# Altium PCB UZ_D_Encoder.PcbDoc (part 3 of 5) (continued)
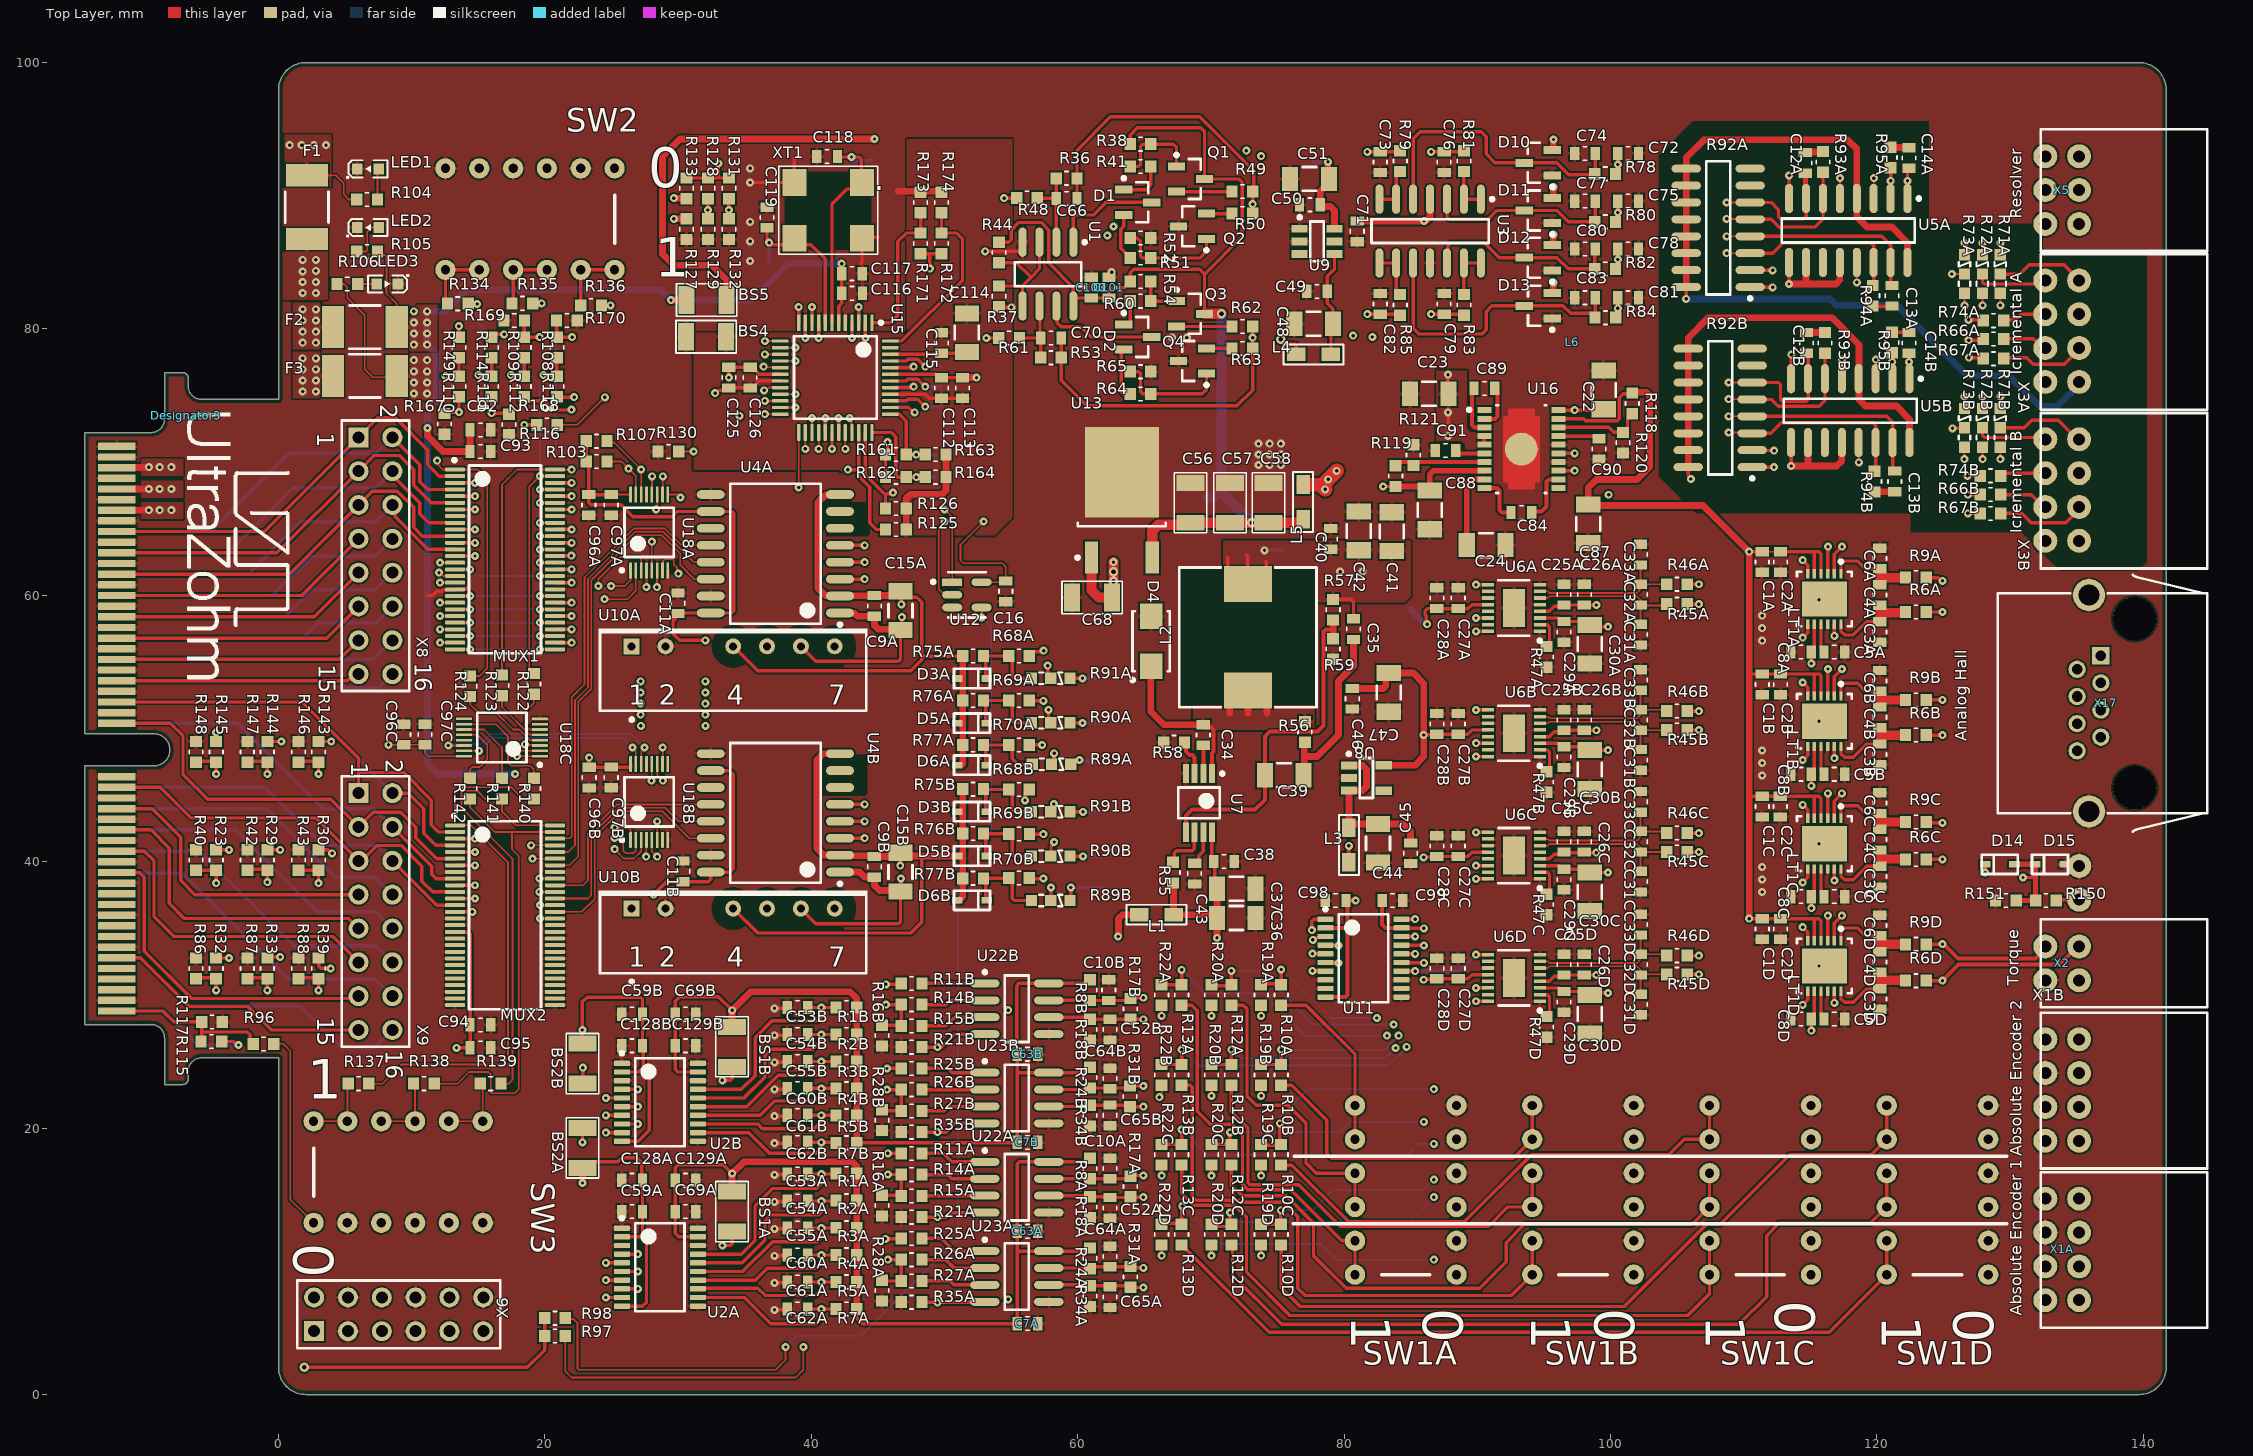
[diagram p0: Top Layer view]
## Nets (pads, with @x,y where several pads share a name; then routed paths per layer and width w, separated by ;. In a path a pad name is that pad's centre, name@x,y a point inside that pad or via, vN(x,y) a via of type N, cw(c..) or ccw(c..) an arc to the next point about the centre after c; other vN are vias at no path point) (continued)
  Bottom Layer w0.25: v1(48.55,77.17) TP7.1@49.774,77.17
COS_C: C80.1 D12.3 R82.2 U3.12 | length 14.8
  Top Layer w0.25: U3.12@87.72,84.951 87.787,85.018 87.787,86.256 87.981,86.451 90.559,86.451 91.659,85.351 D12.3@93.52,85.351 95.976,85.351 96.816,84.511 R82.2@98.828,84.511 98.828,85.976 C80.1@98.862,86.011
COS_FB: R83.1 U3.13 U3.14 | length 3.6
  Top Layer w0.25: R83.1@88.99,82.585 U3.13@88.99,84.951 U3.14@90.26,84.951
COS_LO: C82.1 R85.2 TP8.1 U15.44 | length 46.7
  Top Layer w0.25: U15.44@45.925,77.1 47.511,77.1 47.58,77.169 v1(47.675,77.169) ; v1(81.74,81.11) C82.1@82.709,81.11 84.135,81.11 R85.2@84.21,81.035
  GND w0.25: v1(47.675,77.169) 48.376,77.87 83.095,77.87 83.925,78.7 83.925,80.369 83.184,81.11 v1(81.74,81.11)
  Bottom Layer w0.25: TP8.1@46.273,77.169 v1(47.675,77.169)
COS_LO_C: C83.1 D13.3 R84.2 U3.10 | length 22.3
  Top Layer w0.25: U3.10@85.18,84.951 85.18,80.062 85.612,79.63 90.364,79.63 90.659,79.925 90.659,81.308 91.1,81.75 92.464,81.75 92.474,81.74 D13.3@93.527,81.74 96.431,81.74 96.996,81.175 98.535,81.175 98.835,80.875 R84.2@98.835,80.85 98.862,80.877 C83.1@98.862,82.35
COS_LO_FB: R85.1 U3.8 U3.9 | length 3.8
  Top Layer w0.25: U3.8@82.64,84.951 U3.9@83.91,84.951 83.91,82.81 84.06,82.66 84.135,82.66 R85.1@84.21,82.585
COS_LO_ST: C81.1 R84.1 X5.4 | length 61.4
  Top Layer w0.25: R84.1@100.385,80.85 100.552,81.017 v1(100.552,81.55) C81.1@100.552,82.35
  GND w0.254: v1(100.552,81.55) 101.106,82.104 101.106,85.482 99.827,86.761 99.827,93.869 102.484,96.525 136.218,96.525 136.602,96.141 136.602,92.383 136.033,91.814 133.932,91.814 X5.4@132.511,90.393
COS_ST: C78.1 R82.1 X5.3 | length 56.5
  Top Layer w0.25: R82.1@100.378,84.511 100.552,84.685 v1(100.552,85.211) C78.1@100.552,86.011
  GND w0.254: v1(100.552,85.211) 100.459,85.211 99.446,86.223 99.446,94.026 102.326,96.906 136.375,96.906 136.997,96.284 136.997,92.239 X5.3@135.186,90.428
DB0: MUX1.54 U15.28 | length 22.9
  Top Layer w0.127: v1(40.55,71) U15.28@40.55,72.225
  Top Layer w0.254: MUX1.54@20.75,68.45 v1(22,68.45)
  GND w0.127: v1(22,68.45) 24.384,68.45 24.874,68.94 27.35,68.94 27.839,68.45 36.05,68.45 39.1,71.5 40.05,71.5 v1(40.55,71)
DB1: MUX1.52 U15.27 | length 24.4
  Top Layer w0.127: U15.27@40.05,72.225 v1(40.05,73.3)
  Top Layer w0.254: MUX1.52@20.75,67.45 v1(22,67.45)
  GND w0.127: v1(22,67.45) 21.375,68.075 21.375,68.687 21.63,68.942 24.517,68.942 25.7,70.125 36.789,70.125 39.964,73.3 v1(40.05,73.3)
DB2: MUX1.50 U15.26 | length 21.9
  Top Layer w0.127: v1(39.55,71) U15.26@39.55,72.225
  Top Layer w0.254: MUX1.50@20.75,66.45 v1(22,66.45)
  GND w0.127: v1(22,66.45) 23.509,67.959 36.509,67.959 v1(39.55,71)
DB3: MUX1.47 U15.25 | length 29
  Top Layer w0.127: v1(39.05,68.102) U15.25@39.05,72.225
  Top Layer w0.254: MUX1.47@20.75,64.95 v1(22,64.95)
  GND w0.127: v1(22,64.95) 22.062,64.888 22.062,64.573 22.195,64.44 22.203,64.44 22.49,64.153 22.49,64.144 23.411,63.224 38.801,63.224 40.209,64.632 40.209,66.943 v1(39.05,68.102)
DB4: MUX1.45 U15.24 | length 39.6
  Top Layer w0.127: v1(36.5,73.6) U15.24@37.675,73.6
  Top Layer w0.254: MUX1.45@20.75,63.95 v1(22,63.95)
  GND w0.127: v1(22,63.95) 22.746,63.204 22.98,62.97 38.906,62.97 40.697,64.761 40.697,65.52 43.372,68.195 43.372,73.565 42.741,74.196 39.682,74.196 39.087,73.6 v1(36.5,73.6)
DB5: MUX1.43 U15.23 | length 37.7
  Top Layer w0.127: U15.23@37.675,74.1 v1(38.8,74.1)
  Top Layer w0.254: MUX1.43@20.75,62.95 20.763,62.963 21.96,62.963 v1(21.974,62.976)
  GND w0.127: v1(21.974,62.976) 22,62.95 22.026,62.976 22.614,62.976 22.875,62.716 39.011,62.716 41.113,64.817 41.113,65.576 43.626,68.09 43.626,73.67 42.846,74.45 39.15,74.45 v1(38.8,74.1)
DB6: U15.22 X9.8 X16.62 | length 85.7
  Top Layer w0.127: v1(36.5,74.6) U15.22@37.675,74.6
  GND w0.127: X9.8@8.54,37.53 10.126,39.115 10.126,51.169 7.599,53.695 7.599,59.599 8.274,60.274 8.96,60.274 9.556,60.87 9.556,61.621 13.545,65.609 13.545,68.657 17.063,72.175 23.45,72.175 23.831,72.556 30.281,72.556 32.325,74.6 v1(36.5,74.6)
  Bottom Layer w0.254: X16.62@-12.153,43.991 -0.894,43.991 4.247,38.85 7.22,38.85 X9.8@8.54,37.53
DB7: MUX1.41 U15.21 | length 38.6
  Top Layer w0.127: U15.21@37.675,75.1 v1(38.8,75.1)
  Top Layer w0.254: MUX1.41@20.75,61.95 v1(22,61.95)
  GND w0.127: v1(22,61.95) 22.512,62.462 39.117,62.462 41.367,64.712 41.367,65.471 43.88,67.985 43.88,73.775 42.555,75.1 v1(38.8,75.1)
DB8: MUX1.39 U15.20 | length 42.5
  Top Layer w0.127: v1(36.45,75.397) 36.578,75.397 36.781,75.6 U15.20@37.675,75.6
  Top Layer w0.254: MUX1.39@20.75,60.95 v1(22,60.95)
  GND w0.127: v1(22,60.95) 23.258,62.208 39.222,62.208 41.621,64.607 41.621,65.366 44.134,67.879 44.134,73.88 42.414,75.6 38.606,75.6 38.404,75.397 v1(36.45,75.397)
DB9: MUX1.36 U15.17 | length 47.6
  Top Layer w0.127: v1(36.415,77.17) 36.45,77.135 37.64,77.135 U15.17@37.675,77.1
  Top Layer w0.254: MUX1.36@20.75,59.45 v1(22,59.45)
  GND w0.127: v1(22,59.45) 22.547,58.902 41.016,58.902 41.875,59.761 41.875,65.261 44.388,67.774 44.388,73.985 41.254,77.119 36.466,77.119 v1(36.415,77.17)
DB10: MUX1.34 U15.16 | length 46
  Top Layer w0.127: U15.16@37.675,77.6 37.68,77.605 38.795,77.605 v1(38.8,77.61)
  Top Layer w0.254: MUX1.34@20.75,58.45 v1(22,58.45)
  GND w0.127: v1(22,58.45) 22.309,58.14 22.972,58.14 23.48,58.648 41.121,58.648 42.129,59.656 42.129,65.156 44.642,67.669 44.642,74.091 41.133,77.6 38.81,77.6 v1(38.8,77.61)
DB11: MUX1.32 U15.15 | length 49.4
  Top Layer w0.127: v1(36.5,78.1) U15.15@37.675,78.1
  Top Layer w0.254: MUX1.32@20.75,57.45 v1(22,57.45)
  GND w0.127: v1(22,57.45) 22.309,57.759 22.436,57.886 23.077,57.886 23.585,58.394 41.226,58.394 42.383,59.551 42.383,65.05 44.896,67.564 44.896,74.196 40.992,78.1 v1(36.5,78.1)
DB12: MUX1.30 U15.14 | length 48.3
  Top Layer w0.127: U15.14@37.675,78.6 37.677,78.602 38.798,78.602 v1(38.8,78.604)
  Top Layer w0.254: MUX1.30@20.75,56.45 v1(22,56.45)
  GND w0.127: v1(22,56.45) 23.69,58.14 41.331,58.14 42.637,59.446 42.637,64.945 45.15,67.459 45.15,74.301 40.847,78.604 v1(38.8,78.604)
DIG_IO_0: MUX1.2 X8.1 X16.17 | length 31.4
  Top Layer w0.254: X16.17@-12.153,64.791 -1.074,64.791 X8.1@6,71.865 7.459,73.324 8.775,73.324 11.192,70.907 11.192,69.809 12.052,68.95 MUX1.2@13.25,68.95
DIG_IO_1: MUX1.4 X8.2 X16.18 | length 30.7
  Top Layer w0.254: X8.2@8.54,71.865 10.6,69.805 10.6,68.528 11.178,67.95 MUX1.4@13.25,67.95
  Bottom Layer w0.254: X16.18@-12.153,64.791 -5.08,64.791 0.797,70.668 7.343,70.668 X8.2@8.54,71.865
DIG_IO_2: MUX1.6 X8.3 X16.21 | length 30.6
  Top Layer w0.254: X16.21@-12.153,63.191 -0.134,63.191 X8.3@6,69.325 7.179,70.504 9.066,70.504 10.137,69.433 10.137,68.267 11.454,66.95 MUX1.6@13.25,66.95
DIG_IO_3: MUX1.9 X8.4 X16.22 | length 30.2
  Top Layer w0.254: X8.4@8.54,69.325 8.54,69.014 10.6,66.954 10.6,66.115 11.265,65.45 MUX1.9@13.25,65.45
  Bottom Layer w0.254: X16.22@-12.153,63.191 -3.79,63.191 1.098,68.078 7.293,68.078 X8.4@8.54,69.325
DIG_IO_4: MUX1.11 X8.5 X16.25 | length 30.3
  Top Layer w0.254: X16.25@-12.153,61.591 0.806,61.591 X8.5@6,66.785 7.04,67.825 8.92,67.825 10.137,66.608 10.137,65.111 10.798,64.45 MUX1.11@13.25,64.45
DIG_IO_5: MUX1.13 X8.6 X16.26 | length 29.3
  Top Layer w0.254: X8.6@8.54,66.785 8.744,66.581 8.744,65.898 11.192,63.45 MUX1.13@13.25,63.45
  Bottom Layer w0.254: X16.26@-12.153,61.591 -2.267,61.591 1.668,65.526 7.281,65.526 X8.6@8.54,66.785
DIG_IO_6: R110.1 R149.1 X8.7 X16.29 | length 39.6
  Top Layer w0.25: v1(12.525,76.477) 13.528,76.477 R110.1@13.545,76.461 R149.1@13.545,77.84
  Top Layer w0.254: X16.29@-12.153,59.991 1.746,59.991 X8.7@6,64.245
  VCC w0.127: X8.7@6,64.245 7.21,64.245 8.156,65.191 10.948,65.191 12.525,66.768 v1(12.525,76.477)
DIG_IO_7: R111.1 R114.1 X8.8 X16.30 | length 40.9
  Top Layer w0.25: v1(14.99,76.536) R111.1@15.994,76.536 ; R111.1@15.994,76.461 R111.1@15.994,76.536 ; R114.1@15.994,77.84 R111.1@15.994,76.536
  VCC w0.127: X8.8@8.54,64.245 10.362,64.245 12.779,66.662 12.779,72.129 14.75,74.1 14.75,76.295 v1(14.99,76.536)
  Bottom Layer w0.254: X16.30@-12.153,59.991 -0.484,59.991 2.475,62.95 7.245,62.95 X8.8@8.54,64.245
DIG_IO_8: R109.1 R112.1 X8.9 X16.33 | length 42.8
  Top Layer w0.25: v1(17.439,76.536) R112.1@18.443,76.536 ; R112.1@18.443,76.461 R112.1@18.443,76.536 ; R109.1@18.443,77.84 R112.1@18.443,76.536
  Top Layer w0.254: X16.33@-12.153,58.391 2.686,58.391 X8.9@6,61.705
  VCC w0.127: X8.9@6,61.705 7.245,62.95 9.426,62.95 13.033,66.557 13.033,72.024 17.439,76.43 v1(17.439,76.536)
DIG_IO_9: R108.1 R113.1 X8.10 X16.34 | length 45.1
  Top Layer w0.25: v1(19.888,76.536) R113.1@20.892,76.536 ; R113.1@20.892,76.461 R113.1@20.892,76.536 ; R108.1@20.892,77.84 R113.1@20.892,76.536
  VCC w0.127: X8.10@8.54,61.705 12.709,65.874 13.287,66.452 13.287,71.919 15.543,74.175 17.528,74.175 v1(19.888,76.536)
  Bottom Layer w0.254: X16.34@-12.153,58.391 0.494,58.391 2.511,60.409 7.244,60.409 X8.10@8.54,61.705
DIG_IO_10: R116.1 X8.11 X16.37 | length 41.4
  Top Layer w0.254: X16.37@-12.153,56.791 3.626,56.791 X8.11@6,59.165 ; v1(18.443,72.8) R116.1@19.37,72.8
  GND w0.127: X8.11@6,59.165 7.109,60.274 7.109,61.825 8.233,62.95 10.526,62.95 13.291,65.714 13.291,69.341 16.75,72.8 v1(18.443,72.8)
  GND w0.254: X8.11@6,59.165 X8.11@6.21,59.165
DIG_IO_11: U15.4 X8.12 X16.38 | length 69.6
  Top Layer w0.25: v1(43.05,79.324) U15.4@43.05,80.475
  GND w0.127: X8.12@8.54,59.165 9.81,60.435 9.81,61.515 13.9,65.605 13.9,68.653 16.847,71.6 32.725,71.6 v1(34.6,73.475)
  VCC w0.127: v1(34.6,73.475) 35.533,73.475 35.898,73.11 38.815,73.11 43.05,77.345 v1(43.05,79.324)
  Bottom Layer w0.254: X16.38@-12.153,56.791 1.817,56.791 2.976,57.95 7.325,57.95 X8.12@8.54,59.165
DIG_IO_12: R133.1 U15.10 X8.13 X16.41 | length 81.6
  Top Layer w0.25: U15.10@40.05,80.475 v1(40.05,81.654)
  Top Layer w0.254: X16.41@-12.153,55.191 4.566,55.191 X8.13@6,56.625
  Top Layer w0.508: v1(29.675,89.828) 29.693,89.81 30.601,89.81 R133.1@30.621,89.79
  GND w0.127: X8.13@6,56.625 6,57.835 5.059,58.775 5.059,62.844 5.419,63.204 10.421,63.204 13.037,65.82 13.037,69.487 17.05,73.5 19.555,73.5 20.892,74.836 20.892,76.706 28.128,83.942 28.842,83.942 ; v1(29.675,89.828) 28.842,88.995 28.842,83.942 ; v1(40.05,81.654) 38.679,83.025 29.759,83.025 28.842,83.942
DIG_IO_13: R130.1 U15.33 X8.14 X16.42 | length 69.1
  Top Layer w0.127: R130.1@30.04,70.799 v1(31.157,70.8) ; v1(42.882,73.3) 42.882,73.172 43.013,73.041 43.013,72.262 U15.33@43.05,72.225
  GND w0.127: X8.14@8.54,56.625 10.15,58.235 10.15,61.35 14.154,65.354 14.154,68.548 16.606,71 23.718,71 23.918,70.8 v1(31.157,70.8) 36.785,70.8 39.866,73.88 42.301,73.88 v1(42.882,73.3)
  Bottom Layer w0.254: X16.42@-12.153,55.191 7.106,55.191 X8.14@8.54,56.625
DIG_IO_14: R162.1 R164.2 TP22.1 U15.36 X8.15 X16.45 | length 86.2
  Top Layer w0.25: X16.45@-12.153,53.591 5.168,53.591 5.662,54.085 X8.15@6,54.085 ; U15.36@44.55,72.225 46.023,72.225 46.343,71.905 46.343,69.298 46.343,69.021 46.489,68.875 R162.1@47.118,68.875 v1(47.885,68.875) R164.2@48.56,68.875
  VCC w0.127: X8.15@6,54.085 6.011,54.074 6.011,53.219 6.146,53.083 16.842,53.083 17.354,53.595 17.354,68.974 18.436,70.056 46.704,70.056 v1(47.885,68.875)
  Bottom Layer w0.25: v1(47.885,68.875) TP22.1@49.335,68.875
DIG_IO_15: R161.1 R163.2 TP21.1 U15.37 X8.16 X16.46 | length 83.9
  Top Layer w0.25: U15.37@45.925,73.6 46.604,73.6 47.118,73.087 R161.1@47.118,70.567 v1(47.867,70.567) R163.2@48.56,70.567
  VCC w0.127: X8.16@8.54,54.085 9.288,53.337 16.737,53.337 17.1,53.7 17.1,69.079 18.331,70.31 47.556,70.31 47.814,70.567 v1(47.867,70.567)
  Bottom Layer w0.25: X16.46@-12.153,53.591 4.574,53.591 5.082,53.083 7.538,53.083 X8.16@8.54,54.085 ; v1(47.867,70.567) TP21.1@49.335,70.567
DIG_IO_16: MUX2.2 X9.1 X16.49 | length 32.7
  Top Layer w0.25: 6,46.703 9.387,46.703 11.462,44.628 11.462,42.761 11.988,42.235 MUX2.2@13.25,42.235
  Top Layer w0.254: X16.49@-12.153,51.991 1.769,51.991 6,47.76 6,46.703 X9.1@6,45.15
DIG_IO_17: MUX2.4 X9.2 X16.50 | length 31.8
  Top Layer w0.25: X9.2@8.54,45.15 9.745,45.15 10.905,43.99 10.905,42.142 11.812,41.235 MUX2.4@13.25,41.235 13.225,41.26 12.43,41.26
  Bottom Layer w0.25: X16.50@-12.153,51.991 1.766,51.991 6.156,47.601 6.156,47.534 X9.2@8.54,45.15
DIG_IO_18: MUX2.6 X9.3 X16.53 | length 32.7
  Top Layer w0.25: X16.53@-12.153,50.391 -8.123,50.391 -7.173,49.442 -7.173,46.537 -5.329,44.693 3.917,44.693 X9.3@6,42.61 7.118,43.728 9.161,43.728 10.305,42.584 10.305,41.795 11.865,40.235 MUX2.6@13.25,40.235
DIG_IO_19: MUX2.9 X9.4 X16.54 | length 30.6
  Top Layer w0.25: X9.4@8.54,42.61 11.487,39.663 11.487,39.073 11.825,38.735 MUX2.9@13.25,38.735
  Bottom Layer w0.25: X16.54@-12.153,50.391 -3.057,50.391 3.343,43.99 7.16,43.99 X9.4@8.54,42.61
DIG_IO_20: MUX2.11 X9.5 X16.57 | length 30.3
  Top Layer w0.25: X16.57@-12.153,45.591 -8.889,45.591 -6.583,43.285 2.785,43.285 X9.5@6,40.07 6.236,40.07 7.388,41.222 9.202,41.222 10.755,39.669 10.755,38.535 11.555,37.735 MUX2.11@13.25,37.735
DIG_IO_21: MUX2.13 X9.6 X16.58 | length 29.1
  Top Layer w0.25: X9.6@8.54,40.07 11.875,36.735 MUX2.13@13.25,36.735
  Bottom Layer w0.25: X16.58@-12.153,45.591 -1.031,45.591 3.338,41.222 7.388,41.222 X9.6@8.54,40.07
DIG_IO_22: R97.2 R98.1 X9.7 X16.61 | length 83
  Top Layer w0.25: X16.61@-12.153,43.991 -9.504,43.991 -7.354,41.842 -7.354,38.606 -6.278,37.53 X9.7@6,37.53 ; v2(1.914,2.036) 18.67,2.036 19.975,3.341 R97.2@19.975,4.401 R98.1@19.975,5.728
  GND w0.25: v2(1.914,2.036) 0.875,3.075 0.875,34.56 3.756,37.441 5.911,37.441 X9.7@6,37.53
DIG_IO_24: MUX1.15 X9.9 X16.65 | length 56.3
  Top Layer w0.127: v1(12.116,62.45) MUX1.15@13.25,62.45
  Top Layer w0.254: X16.65@-12.153,42.391 -9.577,42.391 -8.199,41.013 -8.199,36.867 -7.067,35.735 5.255,35.735 X9.9@6,34.99
  GND w0.127: X9.9@6,34.99 7.245,36.235 9.46,36.235 10.512,37.287 10.512,61.152 11.744,62.383 12.05,62.383 v1(12.116,62.45)
DIG_IO_25: MUX1.18 X9.10 X16.66 | length 52.4
  Top Layer w0.127: v1(12.116,60.95) MUX1.18@13.25,60.95
  GND w0.127: X9.10@8.566,34.947 10.864,37.245 10.864,59.697 v1(12.116,60.95)
  Bottom Layer w0.254: X16.66@-12.153,42.391 -3.254,42.391 2.902,36.235 7.295,36.235 X9.10@8.54,34.99
DIG_IO_26: MUX1.21 X9.11 X16.69 | length 55.9
  Top Layer w0.127: v1(12.116,59.45) MUX1.21@13.25,59.45
  Top Layer w0.254: X16.69@-12.153,40.791 -10.074,40.791 -9.353,40.07 -9.353,35.859 -7.885,34.391 4.059,34.391 X9.11@6,32.45
  GND w0.127: X9.11@6,32.45 7.3,33.75 9.2,33.75 11.118,35.668 11.118,58.451 v1(12.116,59.45)
DIG_IO_27: MUX1.23 X9.12 X16.70 | length 52.8
  Top Layer w0.127: v1(12.116,58.45) MUX1.23@13.25,58.45
  GND w0.127: X9.12@8.54,32.45 11.372,35.282 11.372,57.705 v1(12.116,58.45)
  Bottom Layer w0.254: X16.70@-12.153,40.791 -5.956,40.791 1.135,33.7 7.29,33.7 X9.12@8.54,32.45
DIG_IO_28: MUX1.25 X9.13 X16.73 | length 57.7
  Top Layer w0.127: v1(12.116,57.45) MUX1.25@13.25,57.45
  Top Layer w0.254: X16.73@-12.153,39.191 -10.415,39.191 -10.074,38.85 -10.074,33.27 -6.539,29.735 5.825,29.735 X9.13@6,29.91
  GND w0.127: X9.13@6,29.91 7.265,31.175 9.175,31.175 11.626,33.626 11.626,56.959 v1(12.116,57.45)
DIG_IO_29: MUX1.27 X9.14 X16.74 | length 54.4
  Top Layer w0.127: v1(12.116,56.45) MUX1.27@13.25,56.45
  GND w0.127: X9.14@8.54,29.91 12.116,33.486 v1(12.116,56.45)
  Bottom Layer w0.254: X16.74@-12.858,39.15 -7.215,39.15 0.744,31.191 7.259,31.191 X9.14@8.54,29.91
DIR: R108.2 R170.2 U15.32 | length 27.6
  Top Layer w0.127: v1(42.55,71) U15.32@42.55,72.225
  Top Layer w0.25: R170.2@20.867,80.638 20.892,80.613 R108.2@20.892,79.39 v1(22.043,79.39)
  VCC w0.127: v1(22.043,79.39) 29.333,72.1 41.45,72.1 v1(42.55,71)
DOS: R126.2 U12.2 U15.35 U18A.7 | length 46.1
  Top Layer w0.127: U18A.7@28.825,61.875 28.861,61.911 28.861,62.592 28.986,62.716 29.601,62.716 29.675,62.642 29.675,62.308 29.917,62.066 29.917,61.723 v1(30.008,61.632) v1@29.923,61.632 ; R126.2@45.568,66.527 45.568,66.502 R126.2@45.929,66.14 ; v1(49.999,65.527) 49.572,65.1 49.572,60.467 49.998,60.041 U12.2@50.574,60.041
  Top Layer w0.25: U15.35@44.05,72.225 44.05,69.043 45.568,67.525 ; R126.2@45.568,66.527 45.568,67.525 ; v1(46.132,67.707) 46.065,67.64 45.682,67.64 45.568,67.525
  VCC w0.127: v1(30.008,61.632) 30.661,62.286 30.661,69.336 30.812,69.487 41.991,69.487 42.965,68.513 45.325,68.513 v1(46.132,67.707) 48.311,65.527 v1(49.999,65.527) v1@50.297,65.527
DOS_LOT: R98.2 U12.4 | length 86.6
  Top Layer w0.127: R98.2@21.525,5.728 21.578,5.675 22.133,5.675 22.447,5.361 22.447,1.936 22.521,1.862 37.324,1.862 38.124,2.662 38.064,2.723 v1(38.064,3.565) ; U12.4@52.775,59.091 52.79,59.077 v1(52.79,58.341) ; U12.4@53.075,59.091 U12.4@53.178,59.195
  Bottom Layer w0.127: v1(38.064,3.565) 38.91,4.411 43.711,4.411 51.025,11.725 51.025,39.6 53.5,42.075 53.5,57.631 v1(52.79,58.341)
ENC_IN_SEL_1A: R91A.2 U4A.5 | length 25.5
  Top Layer w0.25: U4A.5@42.147,63.76 v1(44,63.76)
  Top Layer w0.254: v1(57.746,54.725) 57.746,54.074 57.988,53.832 R91A.2@57.994,53.832
  GND w0.25: v1(44,63.76) 49.894,63.76 50.222,64.087 56.43,64.087 57.994,62.523 57.994,55.068 57.746,54.82 v1(57.746,54.725)
ENC_IN_SEL_1B: R91B.2 U4B.5 | length 16.9
  Top Layer w0.25: U4B.5@42.147,44.305 v1(44,44.305)
  Top Layer w0.254: R91B.2@58.02,43.821 58.203,44.003 v1(58.203,44.336)
  GND w0.25: v1(44,44.305) 50.062,44.305 50.305,44.061 57.727,44.061 57.935,44.269 58.136,44.269 v1(58.203,44.336)
ENC_IN_SEL_2A: R90A.2 U4A.4 | length 27.1
  Top Layer w0.25: U4A.4@42.147,62.49 v1(44,62.49)
  Top Layer w0.254: v1(57.806,51.411) 57.806,50.737 58.048,50.495 R90A.2@58.069,50.495
  GND w0.25: v1(44,62.49) 53.487,62.402 56.072,62.402 56.844,61.63 56.844,51.608 57.048,51.404 57.799,51.404 v1(57.806,51.411)
ENC_IN_SEL_2B: R90B.2 U4B.4 | length 17.8
  Top Layer w0.25: U4B.4@42.147,43.035 v1(44,43.035)
  Top Layer w0.254: R90B.2@57.994,40.484 57.994,41.176 58.232,41.415 v1(58.232,41.485)
  GND w0.25: v1(44,43.035) 55.594,43.035 57.144,41.485 v1(58.232,41.485)
ENC_IN_SEL_3A: R89A.2 U4A.3 | length 28.5
  Top Layer w0.25: U4A.3@42.147,61.22 v1(44,61.22)
  Top Layer w0.254: R89A.2@57.91,47.311 58.144,47.311 58.232,47.4 v1(58.232,48.143)
  GND w0.254: v1(44,61.22) 55.158,61.22 55.968,60.41 55.968,51.371 57.91,49.429 57.91,49.427 58.232,49.105 v1(58.232,48.143)
ENC_IN_SEL_3B: R89B.2 U4B.3 | length 19.1
  Top Layer w0.25: U4B.3@42.147,41.765 v1(44,41.765)
  Top Layer w0.254: R89B.2@57.994,37.147 v1(57.994,38.063)
  GND w0.254: v1(44,41.765) 55.678,41.765 57.994,39.449 v1(57.994,38.063)
EXC: R61.2 TP11.1 U15.38 | length 30.7
  Top Layer w0.25: U15.38@45.925,74.1 47.307,74.1 47.665,73.742 v1(47.76,73.742) ; v1(53.137,79.324) R61.2@54.077,79.324
  GND w0.25: v1(47.76,73.742) 46.273,75.229 46.273,77.747 47.702,79.176 47.827,79.301 ccw(c47.644,79.484) 47.903,79.484 47.903,81.712 cw(c48.054,81.712) 48.054,81.864 48.509,81.864 cw(c48.509,81.712) 48.661,81.712 48.661,79.152 ccw(c48.812,79.152) 48.812,79.001 49.267,79.001 ccw(c49.267,79.152) 49.419,79.152 49.419,81.712 cw(c49.57,81.712) 49.57,81.864 50.025,81.864 cw(c50.025,81.712) 50.177,81.712 50.177,79.152 ccw(c50.328,79.152) 50.328,79.001 50.783,79.001 ccw(c50.783,79.152) 50.935,79.152 50.935,80.837 cw(c51.086,80.837) 51.086,80.989 51.541,80.989 cw(c51.541,80.837) 51.693,80.837 51.693,79.574 ccw(c51.943,79.574) 51.943,79.324 52.835,79.324 v1(53.137,79.324)
  Bottom Layer w0.25: TP11.1@46.273,74.169 47.238,74.169 47.665,73.742 v1(47.76,73.742)
EXC_AMP_O: D2.3 U1.7 | length 8.8
  Top Layer w0.254: U1.7@58.395,81.72 58.461,81.654 58.461,80.444 58.744,80.16 60.237,80.16 60.997,79.4 D2.3@65.561,79.4
EXC_DRV_IN_H: Q3.1 R54.1 R60.2 | length 3.4
  Top Layer w0.254: R54.1@65.488,83.563 R60.2@65.488,82.09 Q3.1@67.418,82.09
EXC_DRV_IN_L: Q4.1 R64.2 R65.1 | length 8.6
  Top Layer w0.254: R65.1@63.938,76.793 64.564,76.793 64.713,76.644 64.713,75.277 64.862,75.128 R64.2@65.488,75.128 69.363,75.128 69.663,75.428 Q4.1@69.663,76.643
EXC_F: C70.1 R53.1 R61.1 U1.6 | length 5.5
  Top Layer w0.254: R61.1@55.627,79.324 C70.1@57.21,79.324 ; U1.6@57.125,81.72 57.167,81.677 57.167,79.366 C70.1@57.21,79.324 ; R53.1@57.21,77.843 C70.1@57.21,79.324
EXC_FB_LINE_H: D2.1 R60.1 | length 2.1
  Top Layer w0.254: D2.1@63.461,80.35 63.765,80.35 63.938,80.523 R60.1@63.938,82.09
EXC_FB_LINE_L: D2.2 R64.1 | length 4
  Top Layer w0.25: D2.2@63.461,78.45 63.436,78.45 63.261,78.275 63.261,75.276 63.41,75.128 R64.1@63.938,75.128
GND: BS4.2 C1A.2 C1B.2 C1C.2 C1D.2 C2A.2 C2B.2 C2C.2 C2D.2 C3A.1 C3B.1 C3C.1 C3D.1 C5A.2 C5B.2 C5C.2 C5D.2 C6A.2 C6B.2 C6C.2 C6D.2 C7A.2 C7B.2 C8A.2 C8B.2 C8C.2 C8D.2 C10A.2 C10B.2 C11A.1 C11B.1 C16.1 C22.1 C23.1 C24.1 C25A.2 C25B.2 C25C.2 C25D.2 C26A.1 C26B.1 C26C.1 C26D.1 C27A.2 C27B.2 C27C.2 C27D.2 C28A.1 C28B.1 C28C.1 C28D.1 C29A.2 C29B.2 C29C.2 C29D.2 C30A.1 C30B.1 C30C.1 C30D.1 C31A.1 C31B.1 C31C.1 C31D.1 C33A.2 C33B.2 C33C.2 C33D.2 C36.1 C37.1 C38.2 C40.1 C41.1 C42.1 C43.1 C44.1 C45.2 C46.2 C47.1 C48.1 C49.2 C50.2 C51.1 C52A.2 C52B.2 C53A.2 C53B.2 C54A.2 C54B.2 C55A.2 C55B.2 C56.2 C57.2 C58.2 C59A.2 C59B.2 C60A.2 C60B.2 C61A.2 C61B.2 C62A.2 C62B.2 C63A.2 C63B.2 C64A.2 C64B.2 C65A.2 C65B.2 C68.2 C69A.2 C69B.2 C71.2 C72.2 C73.2 C74.2 C75.2 C76.2 C77.2 C78.2 C79.2 C80.2 C81.2 C82.2 C83.2 C87.1 C88.1 C90.2 C91.2 C92.2 C93.2 C94.2 C95.2 C96A.2 C96B.2 C96C.2 C97A.2 C97B.2 C97C.2 C98.2 C99.2 C100.2 C101.2 C116.1 C117.1 C118.2 C119.2 C125.1 C126.1 C128A.2 C128B.2 C129A.2 C129B.2 D4.2 D10.1 D11.1 D12.1 D13.1 D15.2 LED1.1 LED2.1 LED3.1 LT1A.10 LT1B.10 LT1C.10 LT1D.10 MUX1.8 MUX1.19 MUX1.38 MUX1.49 MUX2.8 MUX2.15 MUX2.16 MUX2.18 MUX2.19 MUX2.20 MUX2.21 MUX2.22 MUX2.23 MUX2.24 MUX2.25 MUX2.26 MUX2.27 MUX2.28 MUX2.29 MUX2.30 MUX2.31 MUX2.32 MUX2.33 MUX2.34 MUX2.35 MUX2.36 MUX2.37 MUX2.38 MUX2.39 MUX2.40 MUX2.41 MUX2.49 Q2.3 Q4.3 R16A.1 R16B.1 R18A.1 R18B.1 R21A.1 R21B.1 R28A.1 R28B.1 R34A.1 R34B.1 R35A.1 R35B.1 R40.1 R42.1 R43.1 R44.1 R47A.1 R47B.1 R47C.1 R47D.1 R52.2 R58.1 R59.1 R65.2 R86.2 R87.2 R88.2 R117.1 R120.1 R121.1 R125.1 R126.1 R127.2 R129.1 R130.2 R132.1 R146.2 R147.2 R148.2 R151.2 R163.1 R164.1 R167.1 R168.1 R169.1 R170.1 R173.1 R174.1 SW1A.8 SW1A.10 SW1A.12 SW1B.8 SW1B.10 SW1B.12 SW1C.8 SW1C.10 SW1C.12 SW1D.8 SW1D.10 SW1D.12 SW2.8 SW2.10 SW2.12 SW3.8 SW3.10 SW3.12 U1.4 U2A.1 U2A.3 U2A.11 U2A.18 U2A.20 U2B.1 U2B.3 U2B.11 U2B.18 U2B.20 U3.11 U4A.9 U4A.15 U4B.9 U4B.15 U6A.1 U6A.5 U6A.8 U6A.10 U6A.11 U6A.17 U6B.1 U6B.5 U6B.8 U6B.10 U6B.11 U6B.17 U6C.1 U6C.5 U6C.8 U6C.10 U6C.11 U6C.17 U6D.1 U6D.5 U6D.8 U6D.10 U6D.11 U6D.17 U7.4 U8.2 U9.1 U9.2 U10A.2 U10B.2 U11.8 U11.9 U11.11 U11.12 U11.13 U12.3 U13.4 U15.5 U15.19 U16.14 U16.16 U16.21 U18A.8 U18B.8 U18C.8 U22A.5 U22B.5 U23A.5 U23B.5 X1A.4 X1B.4 X2.4 X6.3 X6.4 X6.7 X6.8 X6.11 X6.12 X7.2 X16.1 X16.2 X16.3 X16.4 X16.7 X16.8 X16.11 X16.12 X16.15 X16.16 X16.19 X16.20 X16.23 X16.24 X16.27 X16.28 X16.31 X16.32 X16.35 X16.36 X16.39 X16.40 X16.43 X16.44 X16.47 X16.48 X16.51 X16.52 X16.55 X16.56 X16.59 X16.60 X16.63 X16.64 X16.67 X16.68 X16.71 X16.72 X16.75 X16.76 X16.81 X16.82 X16.87 X16.88 X16.97 X16.98 X17.S1 X17.S2 XT1.2 XT1.4 | length 44.8
  Top Layer w0.25: v1(37.234,6.362) 38.118,6.362 C62A.2@38.181,6.425 ; v1(37.234,8.387) 38.118,8.387 C61A.2@38.181,8.45 ; v1(37.234,10.412) 38.118,10.412 C60A.2@38.181,10.475 ; v1(37.234,12.438) 38.118,12.438 C55A.2@38.181,12.501 ; v1(37.234,14.463) 38.118,14.463 C54A.2@38.181,14.526 ; v1(37.234,16.489) 38.118,16.489 C53A.2@38.181,16.552 ; v1(37.234,18.867) 38.118,18.867 C62B.2@38.181,18.93 ; v1(37.234,20.892) 38.118,20.892 C61B.2@38.181,20.955 ; v1(37.234,22.918) 38.118,22.918 C60B.2@38.181,22.981 ; v1(37.234,24.943) 38.118,24.943 C55B.2@38.181,25.006 ; v1(37.234,26.968) 38.118,26.968 C54B.2@38.181,27.031 ; v1(37.234,28.994) 38.118,28.994 C53B.2@38.181,29.057
  Top Layer w0.254: 11.178,60.011 11.577,60.011 11.875,60.309 12.259,60.309 12.377,60.427 13.227,60.427 MUX1.19@13.25,60.45 13.273,60.473 14.044,60.473 14.3,60.729 ; v1(32.778,75.185) 32.871,75.185 33.089,75.403 33.635,75.403 C125.1@33.808,75.575 C126.1@35.4,75.575 35.55,75.575 36.075,76.1 U15.19@37.675,76.1 ; v1(35.4,91) XT1.2@38.725,91 38.725,92.814 38.767,92.856 ; 43.706,84.904 43.805,85.003 XT1.4@43.805,86.8 43.897,86.892 44.975,86.892 ; R174.1@49.711,90.342 R174.1@49.775,90.278 ; v1(53.052,85.836) 53.057,85.841 55.695,85.841 55.855,86.001 U1.4@55.855,86.52 ; R44.1@54.077,81.681 54.137,81.621 v1(55.01,81.621)
  Top Layer w0.508: 46.488,90.342 R174.1@49.711,90.342 ; R125.1@47.118,64.95 R126.1@47.118,66.527 47.118,67.286 47.415,67.584 49.812,67.584 50.11,67.881 R164.1@50.11,68.875 R163.1@50.11,70.567 ; C68.2@59.584,59.83 C68.2@59.696,59.941
  other v1: 111.387,37.728 111.387,38.664 111.387,39.6 111.387,46.477 111.387,47.413 111.387,48.349 111.387,56.601 111.387,57.537 111.387,58.473 73.567,69.785 74.406,69.785 75.246,69.785 73.567,70.574 74.406,70.574 75.246,70.574 73.567,71.393 74.406,71.393 75.246,71.393 67.065,79.343 68.195,79.343 62.541,84.264 35.4,85.101 35.4,86.575 35.4,88.05 35.4,92.056